# Altium PCB PCB1.PcbDoc
Units mil, origin at the board's own origin, x right, y up, seen from the top; angles counter-clockwise.
Board outline 6000 x 4000 mil, 2 copper layers (Top Layer, Bottom Layer); 184 components, 159 nets, 675 pads, 8 vias.
Unrouted connection lines stored in the file: 475.
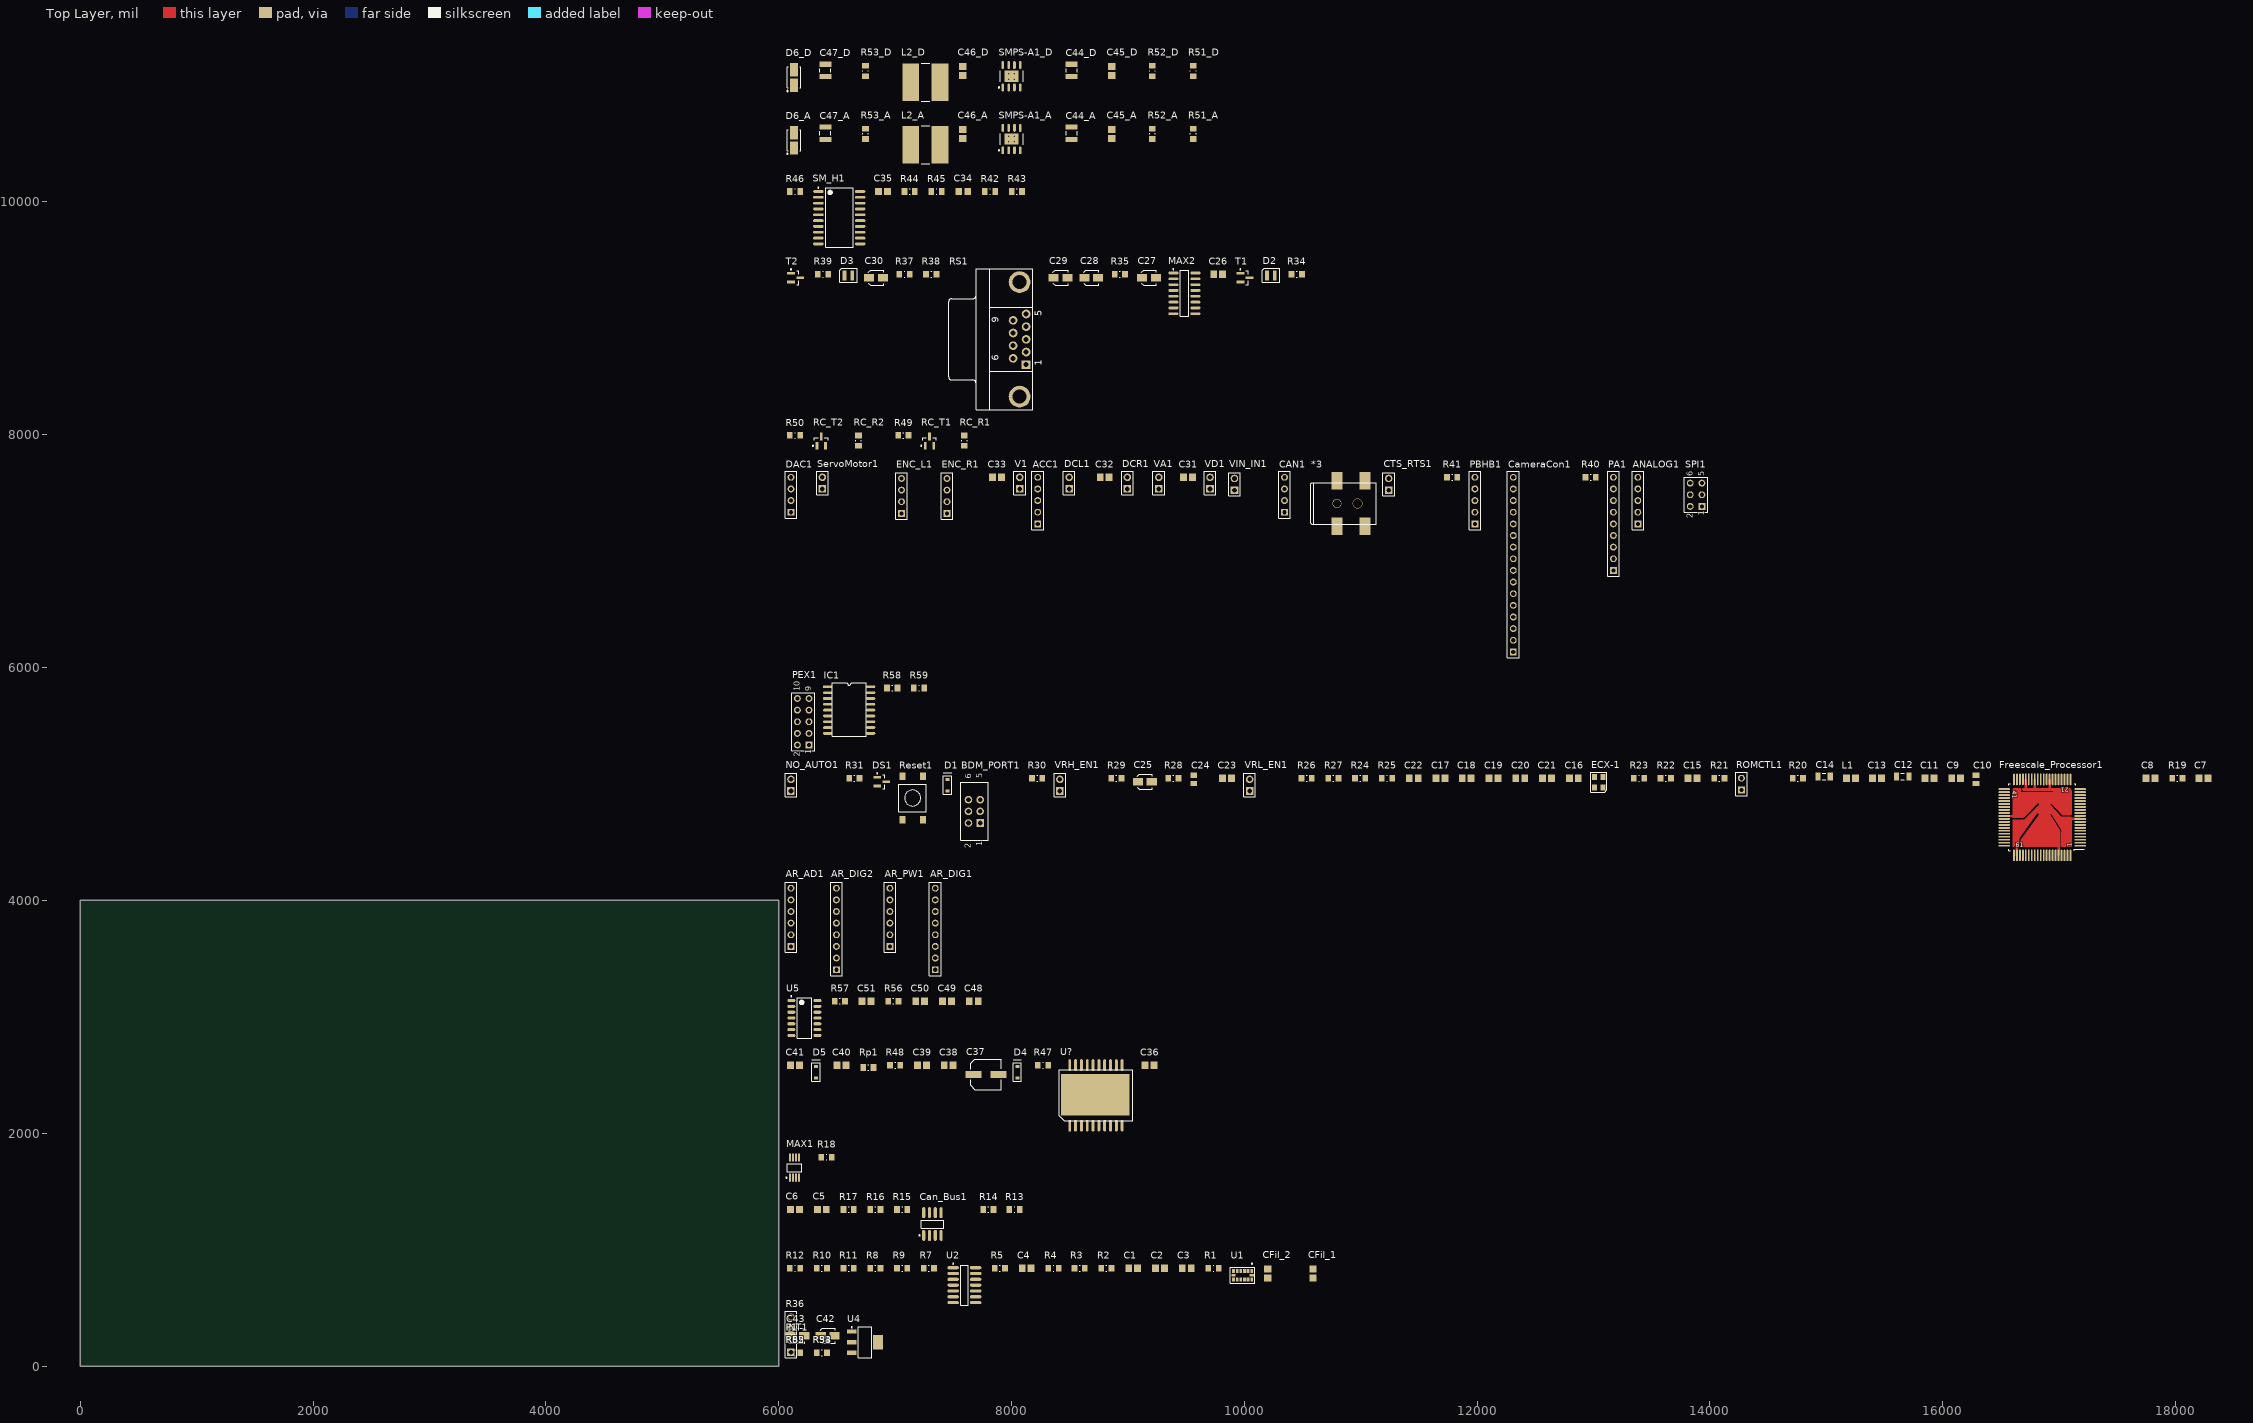
[diagram p0: Top Layer view]
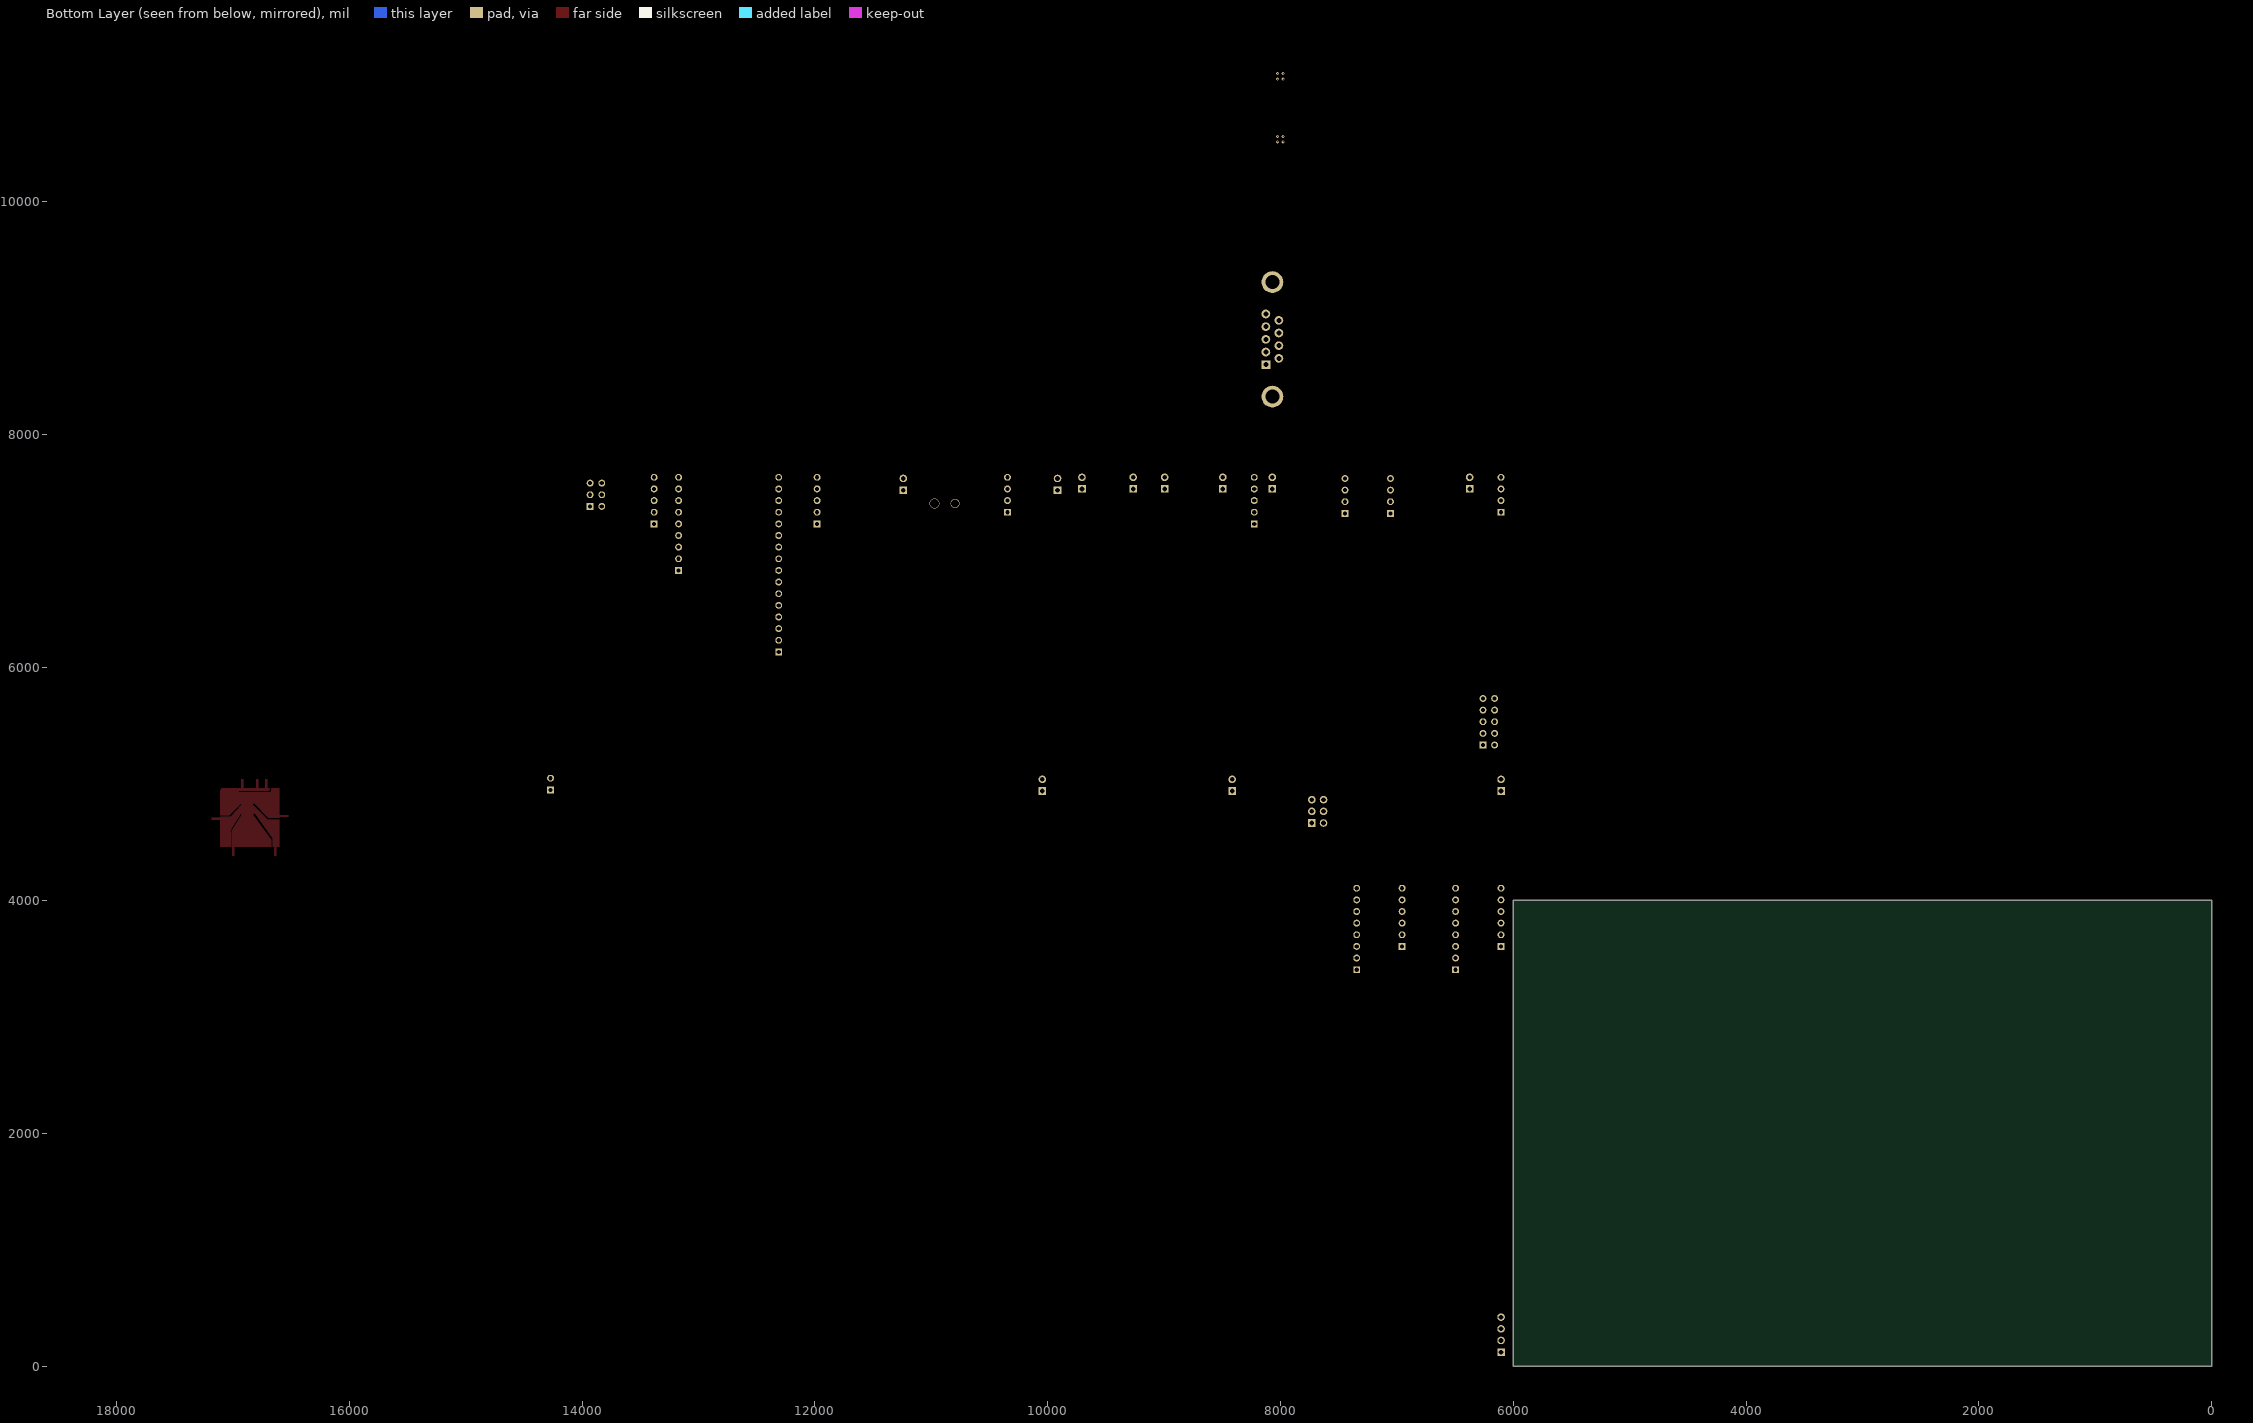
[diagram p1: Bottom Layer view, seen from below]

## Layer stack, top to bottom
Top Solder: solder mask 0.4, Solder Resist, Dk 3.5
Top Layer: signal copper 1.4
Dielectric 1: dielectric 12.6, FR-4, Dk 4.8
Bottom Layer: signal copper 1.4
Bottom Solder: solder mask 0.4, Solder Resist, Dk 3.5

## Board outline
0,0 6000,0 6000,4000 0,4000

## Design rules (kind name [scope] priority, off if disabled: settings)
Clearance [All] p1: gap=10
PolygonConnect [All] p1: connectstyle=Relief reliefconductorwidth=10 reliefentries=4 polygonreliefangle="90 Angle" airgapwidth=10
RoomDefinition Stepper_Motor [InComponentClass('Stepper_Motor')] p1: confinementstyle=ConfineIn formatcopy=TRUE lockcomponents=FALSE outline 6045,9590 8145,9590 8145,10250 6045,10250
RoomDefinition RS232 [InComponentClass('RS232')] p2: confinementstyle=ConfineIn formatcopy=TRUE lockcomponents=FALSE outline 6045,8200 10550,8200 10550,9540 6045,9540
RoomDefinition RC_PWM [InComponentClass('RC_PWM')] p3: confinementstyle=ConfineIn formatcopy=TRUE lockcomponents=FALSE outline 6045,7845 7830,7845 7830,8155 6045,8155
RoomDefinition Project_Board [InComponentClass('Project_Board')] p4: confinementstyle=ConfineIn formatcopy=TRUE lockcomponents=FALSE outline 6045,6075 13995,6075 13995,7795 6045,7795
RoomDefinition MCP23S09 [InComponentClass('MCP23S09')] p5: confinementstyle=ConfineIn formatcopy=TRUE lockcomponents=FALSE outline 6099.92,5220 7304.92,5220 7304.92,5985 6099.92,5985
RoomDefinition MC9S12C [InComponentClass('MC9S12C')] p6: confinementstyle=ConfineIn formatcopy=TRUE lockcomponents=FALSE outline 6045,4325 18335,4325 18335,5210 6045,5210
RoomDefinition "ili9327 LCD" [InComponentClass('ili9327 LCD')] p7: confinementstyle=ConfineIn formatcopy=TRUE lockcomponents=FALSE outline 6045,3345 7690,3345 7690,4275 6045,4275
RoomDefinition Encoder [InComponentClass('Encoder')] p8: confinementstyle=ConfineIn formatcopy=TRUE lockcomponents=FALSE outline 6045,2790 7775,2790 7775,3295 6045,3295
RoomDefinition DC_Motor [InComponentClass('DC_Motor')] p9: confinementstyle=ConfineIn formatcopy=TRUE lockcomponents=FALSE outline 6045,2005 9285,2005 9285,2745 6045,2745
RoomDefinition DAC [InComponentClass('DAC')] p10: confinementstyle=ConfineIn formatcopy=TRUE lockcomponents=FALSE outline 6045,1555 6505,1555 6505,1955 6045,1955
RoomDefinition D [InComponentClass('D')] p11: confinementstyle=ConfineIn formatcopy=TRUE lockcomponents=FALSE outline 6045,10840 9805,10840 9805,11330 6045,11330
RoomDefinition CanBus [InComponentClass('CanBus')] p12: confinementstyle=ConfineIn formatcopy=TRUE lockcomponents=FALSE outline 6045,1045 8120,1045 8120,1505 6045,1505
RoomDefinition Accelerometer [InComponentClass('Accelerometer')] p13: confinementstyle=ConfineIn formatcopy=TRUE lockcomponents=FALSE outline 6045,495 10865,495 10865,1000 6045,1000
RoomDefinition A [InComponentClass('A')] p14: confinementstyle=ConfineIn formatcopy=TRUE lockcomponents=FALSE outline 6045,10300 9805,10300 9805,10790 6045,10790
RoomDefinition 3.3V_Reg [InComponentClass('3.3V_Reg')] p15: confinementstyle=ConfineIn formatcopy=TRUE lockcomponents=FALSE outline 6045,60 6905,60 6905,450 6045,450
RoutingVias [All] p1: holewidth=28 width=50 viastyle="Through Hole" minholewidth=28 minwidth=50 maxholewidth=28 maxwidth=50
SolderMaskExpansion [All] p1: expansion=4
Width [All] p1: maxlimit=10 minlimit=10 preferedwidth=10
30 further rules are at their usual default settings.

## Classes and differential pairs
channel class SMPS_5V_: A D
component class Stepper_Motor: C34 C35 R42 R43 R44 R45 R46 SM_H1
component class RS232: C26 C27 C28 C29 C30 D2 D3 MAX2 R34 R35 R36 R37 R38 R39 RS1 T1 T2
component class RC_PWM: R49 R50 RC_R1 RC_R2 RC_T1 RC_T2
component class Project_Board: *3 ACC1 ANALOG1 C31 C32 C33 CameraCon1 CAN1 CTS_RTS1 DAC1 DCL1 DCR1 ENC_L1 ENC_R1 PA1 PBHB1 R40 R41 ServoMotor1 SPI1 V1 VA1 VD1 VIN_IN1
component class MCP23S09: IC1 PEX1 R58 R59
component class MC9S12C: BDM_PORT1 C7 C8 C9 C10 C11 C12 C13 C14 C15 C16 C17 C18 C19 C20 C21 C22 C23 C24 C25 D1 DS1 ECX-1 Freescale_Processor1 INT1 L1 NO_AUTO1 R19 R20 R21 R22 R23 R24 R25 R26 R27 R28 R29 R30 R31 R32 R33 Reset1 ROMCTL1 VRH_EN1 VRL_EN1
component class "ili9327 LCD": AR_AD1 AR_DIG1 AR_DIG2 AR_PW1
component class Encoder: C48 C49 C50 C51 R54 R55 R56 R57 U5
component class D: C44_D C45_D C46_D C47_D D6_D L2_D R51_D R52_D R53_D SMPS-A1_D
component class DC_Motor: C36 C37 C38 C39 C40 C41 D4 D5 R47 R48 Rp1 U?
component class DAC: MAX1 R18
component class CanBus: C5 C6 Can_Bus1 P1 R13 R14 R15 R16 R17
component class A: C44_A C45_A C46_A C47_A D6_A L2_A R51_A R52_A R53_A SMPS-A1_A
component class Accelerometer: C1 C2 C3 C4 CFil_1 CFil_2 R1 R2 R3 R4 R5 R6 R7 R8 R9 R10 R11 R12 U1 U2
component class 3.3V_Reg: C42 C43 U4

## Components (designator, comment, footprint, x,y, rotation, side; value= is the part's Value field where it differs from the comment)
*3 "PJ-S002AH-SMD" PJ-002AH-SMD 10795,7410 r0 top
ACC1 "Header 5" HDR1X5 8225,7235 r90 top
ANALOG1 "Header 5" HDR1X5 13380,7235 r90 top
AR_AD1 "Header 6" HDR1X6 6105,3605 r90 top
AR_DIG1 "Header 8" HDR1X8 7345,3405 r90 top
AR_DIG2 "Header 8" HDR1X8 6495,3405 r90 top
AR_PW1 "Header 6" HDR1X6 6955,3605 r90 top
BDM_PORT1 "CON6" HDR3X2 7730,4665 r90 top
C1 "Cap" CAPC2012X09M 9045,840 r0 top
C2 "Cap" CAPC2012X09M 9275,840 r0 top
C3 "Cap" CAPC2012X09M 9505,840 r0 top
C4 "Cap" CAPC2012X09M 8130,840 r0 top
C5 "Cap" CAPC2012X09M 6370,1345 r0 top
C6 "Cap" CAPC2012X09M 6140,1345 r0 top
C7 "p" CAPC2012X09M 18240,5050 r0 top
C8 "ap" CAPC2012X09M 17785,5050 r0 top
C9 "p" CAPC2012X09M 16115,5050 r0 top
C10 "Cap" C_805 16285,5040 r90 top
C11 "Cap" CAPC2012X09M 15885,5050 r0 top
C12 "Cap" C1206 15655,5065 r0 top
C13 "Cap" CAPC2012X09M 15435,5050 r0 top
C14 "Cap" C1206 14980,5065 r0 top
C15 "Cap" CAPC2012X09M 13850,5050 r0 top
C16 "Cap" CAPC2012X09M 12830,5050 r0 top
C17 "Cap" CAPC2012X09M 11685,5050 r0 top
C18 "Cap" CAPC2012X09M 11910,5050 r0 top
C19 "Cap" CAPC2012X09M 12140,5050 r0 top
C20 "Cap" CAPC2012X09M 12370,5050 r0 top
C21 "Cap" CAPC2012X09M 12600,5050 r0 top
C22 "Cap" CAPC2012X09M 11455,5050 r0 top
C23 "Cap" CAPC2012X09M 9850,5050 r0 top
C24 "Cap" C_805 9565,5040 r90 top
C25 "Cap Pol" CAPACITOR_3MM 9145,5020 r0 top
C26 "Cap" CAPC2012X09M 9775,9380 r0 top
C27 "Pol" CAPACITOR_3MM 9180,9350 r0 top
C28 "Pol" CAPACITOR_3MM 8685,9350 r0 top
C29 "Pol" CAPACITOR_3MM 8420,9350 r0 top
C30 "Pol" CAPACITOR_3MM 6835,9350 r0 top
C31 "Cap" CAPC2012X09M 9515,7635 r0 top
C32 "Cap" CAPC2012X09M 8800,7635 r0 top
C33 "Cap" CAPC2012X09M 7875,7635 r0 top
C34 "Cap" CAPC2012X09M 7585,10090 r0 top
C35 "Cap" CAPC2012X09M 6895,10090 r0 top
C36 "Cap" CAPC2012X09M 9185,2585 r0 top
C37 "Cap Pol" CAPACITOR_6.3MM 7780,2505 r0 top
C38 "Cap" CAPC2012X09M 7460,2585 r0 top
C39 "Cap" CAPC2012X09M 7230,2585 r0 top
C40 "Cap" CAPC2012X09M 6540,2585 r0 top
C41 "Cap" CAPC2012X09M 6140,2585 r0 top
C42 "Pol" CAPACITOR_3MM 6420,260 r0 top
C43 "Pol" CAPACITOR_3MM 6160,260 r0 top
C44_A "Cap-100V" C1210 8515,10590 r90 top (schematic designator C44)
C44_D "Cap-100V" C1210 8515,11130 r90 top (schematic designator C44)
C45_A "Cap" CAPC2012X09M 8860,10585 r90 top (schematic designator C45)
C45_D "Cap" CAPC2012X09M 8860,11125 r90 top (schematic designator C45)
C46_A "Cap" CAPC2012X09M 7580,10585 r90 top (schematic designator C46)
C46_D "Cap" CAPC2012X09M 7580,11125 r90 top (schematic designator C46)
C47_A "Cap-10v-A" C1210 6400,10590 r90 top (schematic designator C47)
C47_D "Cap-10v-A" C1210 6400,11130 r90 top (schematic designator C47)
C48 "Cap" CAPC2012X09M 7675,3135 r0 top
C49 "C1" CAPC2012X09M 7445,3135 r0 top
C50 "Cap" CAPC2012X09M 7215,3135 r0 top
C51 "Cap" CAPC2012X09M 6755,3135 r0 top
CameraCon1 "Header 16" HDR1X16 12310,6135 r90 top
CAN1 "Header 4" HDR1X4#1 10345,7335 r90 top
Can_Bus1 "MCP2551" SOIC127P600X175-8M 7320,1220 r90 top
CFil_1 "Cap" CAPC2012X09M 10590,795 r90 top
CFil_2 "Cap" CAPC2012X09M 10200,795 r90 top
CTS_RTS1 "Header 2" HDR1X2#1 11240,7525 r90 top
D1 "1N4148" zener_sod323 7450,4990 r90 top
D2 "LED" LED 10195,9370 r0 top
D3 "LED" LED 6565,9370 r0 top
D4 "Diode 1N4148" zener_sod323 8050,2525 r90 top
D5 "Diode 1N4148" zener_sod323 6320,2525 r90 top
D6_A "DIODE SCHOTTKY 40V 2A SMA" DIOM4326X23M 6130,10530 r90 top (schematic designator D6)
D6_D "DIODE SCHOTTKY 40V 2A SMA" DIOM4326X23M 6130,11070 r90 top (schematic designator D6)
DAC1 "Header 4" HDR1X4#1 6105,7335 r90 top
DCL1 "Header 2" HDR1X2#1 8495,7535 r90 top
DCR1 "Header 2" HDR1X2#1 8995,7535 r90 top
DS1 "DS1813-10" SOT95P230X110-3M 6885,5020 r0 top
ECX-1 "ECS-XC" ECX-32 13080,4970 r90 top
ENC_L1 "En_H" HDR1X4#1 7055,7325 r90 top
ENC_R1 "En_H" HDR1X4#1 7445,7325 r90 top
Freescale_Processor1 "MC9S12C128MFUE" QUAD.65M/80/WG17.45-HCS12 17180,4470 r90 top
IC1 "MCP23009" MCP23009 6419.92,5835 r0 top
INT1 "Header 2" HDR1X2#1 6105,120 r90 top
L1 "10uH" CAPC2012X09M 15210,5050 r0 top
L2_A "SRN8040-33uH" INDP8080X40M 7260,10490 r0 top (schematic designator L2)
L2_D "SRN8040-33uH" INDP8080X40M 7260,11030 r0 top (schematic designator L2)
MAX1 "IC DAC 8BIT DUAL VOUT 8-UMAX" TSOP65P490X110-8M 6135,1705 r90 top
MAX2 "MAX3232CSE" NSO16_N 9485,9215 r0 top
NO_AUTO1 "Header 2" HDR1X2#1 6105,4940 r90 top
P1 "Header 2" HDR1X2#1 6105,120 r90 top
PA1 "Header 9" HDR1X9 13170,6835 r90 top
PBHB1 "Header 5" HDR1X5 11980,7235 r90 top
PEX1 "Header 5X2" HDR2X5 6259.92,5335 r90 top
R1 "Res3" RESC2112X05M 9735,840 r0 top
R2 "Res3" RESC2112X05M 8815,840 r0 top
R3 "Res3" RESC2112X05M 8585,840 r0 top
R4 "Res3" RESC2112X05M 8360,840 r0 top
R5 "Res3" RESC2112X05M 7900,840 r0 top
R6 "Res3" RESC2112X05M 6140,115 r0 top
R7 "Res3" RESC2112X05M 7290,840 r0 top
R8 "Res3" RESC2112X05M 6830,840 r0 top
R9 "Res3" RESC2112X05M 7060,840 r0 top
R10 "Res3" RESC2112X05M 6370,840 r0 top
R11 "Res3" RESC2112X05M 6600,840 r0 top
R12 "Res3" RESC2112X05M 6140,840 r0 top
R13 "Res3" RESC2112X05M 8025,1345 r0 top
R14 "Res3" RESC2112X05M 7800,1345 r0 top
R15 "Res3" RESC2112X05M 7060,1345 r0 top
R16 "Res3" RESC2112X05M 6830,1345 r0 top
R17 "Res3" RESC2112X05M 6600,1345 r0 top
R18 "Res3" RESC2112X05M 6410,1795 r0 top
R19 "Res3" RESC2112X05M 18015,5050 r0 top
R20 "Res3" RESC2112X05M 14755,5050 r0 top
R21 "Res3" RESC2112X05M 14080,5050 r0 top
R22 "Res3" RESC2112X05M 13620,5050 r0 top
R23 "Res3" RESC2112X05M 13390,5050 r0 top
R24 "Res3" RESC2112X05M 10995,5050 r0 top
R25 "Res3" RESC2112X05M 11225,5050 r0 top
R26 "Res3" RESC2112X05M 10535,5050 r0 top
R27 "Res3" RESC2112X05M 10765,5050 r0 top
R28 "Res3" RESC2112X05M 9390,5050 r0 top
R29 "Res3" RESC2112X05M 8900,5050 r0 top
R30 "Res3" RESC2112X05M 8220,5050 r0 top
R31 "Res3" RESC2112X05M 6650,5050 r0 top
R32 "Res3" RESC2112X05M 6140,115 r0 top
R33 "Res3" RESC2112X05M 6370,115 r0 top
R34 "Res3" RESC2112X05M 10450,9380 r0 top
R35 "Res3" RESC2112X05M 8930,9380 r0 top
R36 "Header 4" HDR1X4#2 6105,120 r90 top
R37 "Res3" RESC2112X05M 7080,9380 r0 top
R38 "Res3" RESC2112X05M 7310,9380 r0 top
R39 "Res3" RESC2112X05M 6380,9380 r0 top
R40 "Res3" RESC2112X05M 12975,7635 r0 top
R41 "Res3" RESC2112X05M 11785,7635 r0 top
R42 "Res3" RESC2112X05M 7815,10090 r0 top
R43 "Res3" RESC2112X05M 8045,10090 r0 top
R44 "Res3" RESC2112X05M 7125,10090 r0 top
R45 "Res3" RESC2112X05M 7355,10090 r0 top
R46 "Res3" RESC2112X05M 6140,10090 r0 top
R47 "Res3" RESC2112X05M 8270,2585 r0 top
R48 "Res3" RESC2112X05M 7000,2585 r0 top
R49 "Res3" RESC2112X05M 7070,7995 r0 top
R50 "R2_B" RESC2112X05M 6140,7995 r0 top
R51_A "RFb1" RESC2112X05M 9560,10585 r90 top (schematic designator R51)
R51_D "RFb1" RESC2112X05M 9560,11125 r90 top (schematic designator R51)
R52_A "Res3" RESC2112X05M 9210,10585 r90 top (schematic designator R52)
R52_D "Res3" RESC2112X05M 9210,11125 r90 top (schematic designator R52)
R53_A "Res3" RESC2112X05M 6745,10585 r90 top (schematic designator R53)
R53_D "Res3" RESC2112X05M 6745,11125 r90 top (schematic designator R53)
R54 "Res3" RESC2112X05M 6370,115 r0 top
R55 "Res3" RESC2112X05M 6140,115 r0 top
R56 "Res3" RESC2112X05M 6985,3135 r0 top
R57 "Res3" RESC2112X05M 6525,3135 r0 top
R58 "Res3" RESC2112X05M 6974.92,5825 r0 top
R59 "Res3" RESC2112X05M 7204.92,5825 r0 top
RC_R1 "Res3" RESC2112X05M 7595,7950 r90 top
RC_R2 "Res3" RESC2112X05M 6685,7950 r90 top
RC_T1 "BC846B" SOT95P230X110-3M 7295,7945 r90 top
RC_T2 "BC846B" SOT95P230X110-3M 6365,7945 r90 top
Reset1 "SWITCH_TACTILE" TACT_SWITCH_6MM_SMT 7150,4880 r90 top
ROMCTL1 "Header 2" HDR1X2#2 14270,4950 r90 top
Rp1 "Res3" RESC2112X05M 6770,2565 r0 top